# KiCad board Zynq_SoM.kicad_pcb (continued)
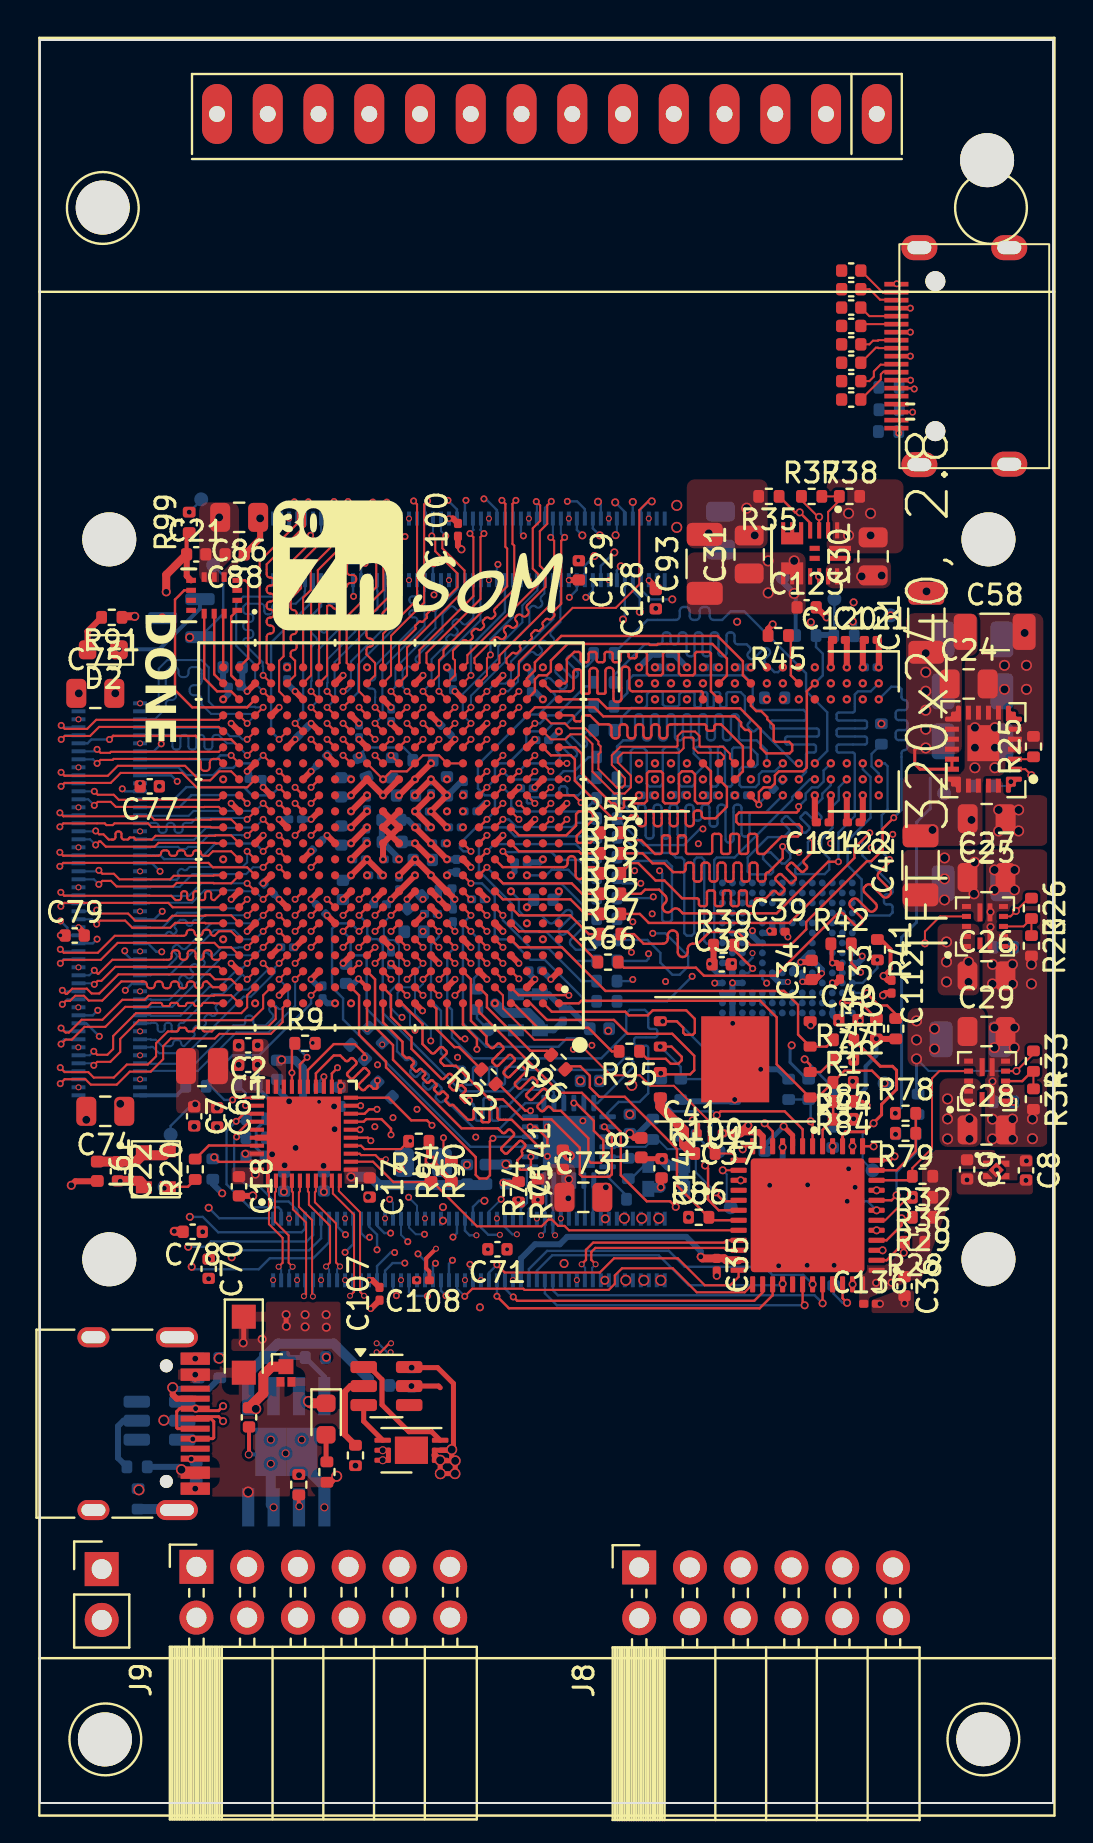
[diagram p0: board, top side]
## Library data of the parts
C1 C7 C9-C12 C15 C32 C34 C36 C38 C40 C44 C57 C59 C66 C70 C71 C77-C79 C87 C88 C95 C103 C123 C128 C129 C139 C141 = -: Description: Unpolarized capacitor, small symbol; Rating: 6.3 V; Type: X5R; Package: 0402; LCSC Part: C368809; ki_fp_filters: C_*
C2-C6 C16-C22 C138 C142 = -: Description: Unpolarized capacitor, small symbol; Rating: 6.3 V; Type: X5R; Package: 0402; LCSC Part: gia; ki_fp_filters: C_*
C8 = -: Description: Unpolarized capacitor, small symbol; Rating: 10 V; Type: X5R; Package: 0402; LCSC Part: C368809; ki_fp_filters: C_*
C13 = -: LCSC Part: C85926; ki_fp_filters: C_*
C23 C33 C35 C37 C39 C41 C43 C46-C48 C50 C53-C56 C61 C62 C67 C69 C72 C76 C80-C85 C89-C92 C94 C98-C102 C107 C108 C112 C114 C130-C137 = -: Description: Unpolarized capacitor, small symbol; Rating: 6.3 V; Type: X5R; Package: 0201; LCSC Part: C85926; ki_fp_filters: C_*
C24 C27 C29 C31 C49 C73-C75 C86 C127 = -: Description: Unpolarized capacitor, small symbol; Rating: 6.3 V; Type: X5R; Package: 0805; LCSC Part: C16780; ki_fp_filters: C_*
C25 C26 C30 = -: Description: Unpolarized capacitor, small symbol; Rating: 10V; Type: X5R; Package: 0805; LCSC Part: C98190; ki_fp_filters: C_*
C28 = -: Description: Unpolarized capacitor, small symbol; Rating: 10V; Type: X5R; Package: 0805; LCSC Part: C16780; ki_fp_filters: C_*
C42 C51 C58 C60 C63 C64 C68 C93 C96 = -: Description: Unpolarized capacitor, small symbol; Rating: 6.3 V; Type: X5R; Package: 1206; LCSC Part: C15008; ki_fp_filters: C_*
C45 C52 = -: Description: Unpolarized capacitor, small symbol; Rating: 6.3 V; Type: X5R; Package: 0201; LCSC Part: C368809; ki_fp_filters: C_*
C65 = -: Description: Unpolarized capacitor, small symbol; Rating: 6.3 V; Type: X5R; Package: 0402; LCSC Part: C15525////; ki_fp_filters: C_*
C97 = -: Description: Unpolarized capacitor, small symbol; Rating: 6.3 V; Type: X5R; LCSC Part: C368809; ki_fp_filters: C_*
C104-C106 C109-C111 C113 C118-C122 C124-C126 = -: Description: Unpolarized capacitor, small symbol; Rating: 6.3 V; Type: X5R; Package: 0201; LCSC Part: C85925; ki_fp_filters: C_*
C115 = -: LCSC: C307331; ki_fp_filters: C_*
C116 = -: LCSC: C15525; ki_fp_filters: C_*
C117 C140 C143-C148 = -: Description: Unpolarized capacitor, small symbol; LCSC Part #: C1532; ki_fp_filters: C_*
D1 = -: Datasheet: https://datasheet.lcsc.com/lcsc/2308231032_MDD-Microdiode-Electronics--DSK34_C41029.pdf; LCSC: C41029; ki_fp_filters: TO-???* *_Diode_* *SingleDiode* D_*
D2 = -: Description: Light emitting diode, small symbol; LCSC Part: -; ki_fp_filters: LED* LED_SMD:* LED_THT:*
H1-H4 H4#2-H4#5 = -: Description: Mounting Hole without connection; LCSC Part: -; ki_fp_filters: MountingHole*
J1-J3 = -: Description: 100 Position Connector Plug, Outer Shroud Contacts Surface Mount Gold; MF: Hirose Electric Co Ltd; MAXIMUM_PACKAGE_HEIGHT: 1.29mm; Package: None; Price: None; Check_prices: https://www.snapeda.com/parts/DF40C-100DP-0.4V(51)/Hirose/view-part/?ref=eda; STANDARD: Manufacturer Recommendations; PARTREV: 02/2020; SnapEDA_Link: https://www.snapeda.com/parts/DF40C-100DP-0.4V(51)/Hirose/view-part/?ref=snap; MP: DF40C-100DP-0.4V(51); Purchase-URL: https://www.snapeda.com/api/url_track_click_mouser/?unipart_id=7177778&manufacturer=Hirose Electric Co Ltd&part_name=DF40C-100DP-0.4V(51)&search_term=df40c-100dp-0.4; Availability: In Stock; MANUFACTURER: Hirose Electric; Digikey: DF40HC(3.0)-100DS-0.4V(51)
J4 = -: Description: Generic connector, single row, 01x14, script generated; ki_fp_filters: Connector*:*_1x??_*
J5 = -: Datasheet: https://www.usb.org/sites/default/files/documents/usb_type-c.zip; LCSC: C165948; JLCPCB Position Offset: 0,1.5; ki_fp_filters: USB*C*Receptacle*
J6 = -: Datasheet: http://pinoutguide.com/PortableDevices/mini_hdmi_pinout.shtml; Description: HDMI 1.3+ type C connector; LCSC Part #: C2682170; ki_fp_filters: HDMI*C*
J7 = -: Description: Generic connector, single row, 01x02, script generated; ki_fp_filters: Connector*:*_1x??_*
J8 J9 = -: Description: Generic connector, single row, 01x12, script generated; ki_fp_filters: Connector*:*_1x??_*
L1 = -: Description: Inductor, small symbol; LCSC Part: C98336; ki_fp_filters: Choke_* *Coil* Inductor_* L_*
L2-L4 L6 L8 L9 = -: Description: Inductor with ferrite core, small symbol; Package: 0402; LCSC Part: C275478; ki_fp_filters: Choke_* *Coil* Inductor_* L_*
L5 = -: LCSC Part: C337875/gia; ki_fp_filters: Choke_* *Coil* Inductor_* L_*
L7 = -: Description: Inductor with ferrite core, small symbol; LCSC Part: C275478; ki_fp_filters: Choke_* *Coil* Inductor_* L_*
LED1 = -: LCSC: C2286; ki_fp_filters: LED* LED_SMD:* LED_THT:*
Q1 = -: LCSC: C700968; ki_fp_filters: TSOP* SC?70* SC?88* SOT?363*
Q3 = -: Datasheet: https://ngspice.sourceforge.io/docs/ngspice-html-manual/manual.xhtml#cha_MOSFETs; Description: N-MOSFET transistor, drain/source/gate; Sim.Type: VDMOS; Sim.Pins: 1=D 2=G 3=S
Q4 = -: JLCPCB Rotation Offset: 180; LCSC: C260933
R1 R5 R6 R13 R15 R39-R44 R74-R77 R86-R90 R92-R94 R97 R100 = -: Description: Resistor, small symbol; Tolerance: 1%; Package: 0402; LCSC Part: C25744/gia; ki_fp_filters: R_*
R2 R20-R22 R49 R51-R73 R95 R96 = -: Description: Resistor, small symbol; Tolerance: 1%; Package: 0402; LCSC Part: C114765/C25105; ki_fp_filters: R_*
R3 R4 R14 = -: Description: Resistor, small symbol; Tolerance: 1%; Package: 0402; LCSC Part: C25867; ki_fp_filters: R_*
R7-R12 R17-R19 R48 R98 R99 = -: Description: Resistor, small symbol; Tolerance: 1%; Package: 0402; LCSC Part: C25940; ki_fp_filters: R_*
R16 = -: Description: Resistor, small symbol; Tolerance: 1%; Package: 0402; LCSC Part: C25884; ki_fp_filters: R_*
R23 R27 R28 R30-R32 R35 R36 R78 R79 R82-R85 = -: Description: Resistor, small symbol; Tolerance: 1%; Package: 0402; LCSC Part: C60491; ki_fp_filters: R_*
R24 = -: Description: Resistor, small symbol; Tolerance: 1%; Package: 0402; LCSC Part: C25923; ki_fp_filters: R_*
R25 = -: Description: Resistor, small symbol; Tolerance: 1%; Package: 0402; LCSC Part: C26972; ki_fp_filters: R_*
R26 R33 R37 = -: Description: Resistor, small symbol; Tolerance: 1%; Package: 0402; LCSC Part: C137903; ki_fp_filters: R_*
R29 = -: Description: Resistor, small symbol; Package: 0402; LCSC Part: C60491; ki_fp_filters: R_*
R34 = -: Description: Resistor, small symbol; Tolerance: 1%; Package: 0402; LCSC Part: C25895; ki_fp_filters: R_*
R38 = -: Description: Resistor, small symbol; Tolerance: 1%; Package: 0402; LCSC Part: C25757; ki_fp_filters: R_*
R45 = -: Description: Resistor, small symbol; Tolerance: 1%; Package: 0402; LCSC Part: C25094; ki_fp_filters: R_*
R46 R47 = -: Description: Resistor, small symbol; Tolerance: 1%; Package: 0201; LCSC Part: C270336; ki_fp_filters: R_*
R50 = -: Description: Resistor, small symbol; Tolerance: 1%; Package: 0402; LCSC Part: C25138; ki_fp_filters: R_*
R80 R81 = -: Description: Resistor, small symbol; Tolerance: 1%; Package: 0402; LCSC Part: gia; ki_fp_filters: R_*
R91 = -: Description: Resistor, small symbol; Tolerance: 1%; Package: 0402; ki_fp_filters: R_*
R101 = -: LCSC: C26083; ki_fp_filters: R_*
R102 R103 = -: LCSC: C25905; ki_fp_filters: R_*
R104 R108 = -: LCSC: C25741; ki_fp_filters: R_*
R105 R110 = -: LCSC: C25744; ki_fp_filters: R_*
R106 R111 = -: LCSC: C11702; ki_fp_filters: R_*
R107 = -: LCSC: C25117; ki_fp_filters: R_*
R109 = -: LCSC: C25882; ki_fp_filters: R_*
R112 R114 = -: LCSC Part #: C25117; ki_fp_filters: R_*
R113 = -: LCSC Part #: C25744; ki_fp_filters: R_*
TP1-TP16 = -: Description: test point; LCSC Part: -; ki_fp_filters: Pin* Test*
U1 = -: Description: SDRAM - DDR3L Memory IC 4Gb (256M x 16) Parallel 933 MHz 20 ns 96-FBGA (8x14); Availability: In Stock; Check_prices: https://www.snapeda.com/parts/MT41K256M16TW-107:P/Micron+Technology+Inc./view-part/?ref=eda; MANUFACTURER: Micron; MAXIMUM_PACKAGE_HEIGHT: 1.20mm; MF: Micron Technology; MP: MT41K256M16TW-107:P; PARTREV: P; Package: FBGA-96 Micron; Price: None; Purchase-URL: https://www.snapeda.com/api/url_track_click_mouser/?unipart_id=471174&manufacturer=Micron Technology&part_name=MT41K256M16TW-107:P&search_term=None; STANDARD: IPC-7351B; SnapEDA_Link: https://www.snapeda.com/parts/MT41K256M16TW-107:P/Micron+Technology+Inc./view-part/?ref=snap; LCSC Part: gia
U2 = -: Datasheet: https://www.xilinx.com/support/documentation/data_sheets/ds190-Zynq-7000-Overview.pdf; LCSC Part: gia; ki_fp_filters: Xilinx*CLG484*
U3 = -: LCSC Part: C187932
U4 U6 = -: Digikey: MPM3834CGPA-Z
U5 = -: Datasheet: https://ww1.microchip.com/downloads/aemDocuments/documents/OTH/ProductDocuments/DataSheets/00002367A.pdf; Description: Hi-Speed USB ULPI Transceiver, QFN-24; Digikey: USB3318C-CP-TR; ki_fp_filters: QFN*1EP*4x4mm*P0.5mm*
U7 = -: LCSC Part: C499918
U8 = -: Datasheet: TPSM82864AA0SRDJR; LCSC Part: C5219321; ki_fp_filters: RDJ0023A-MFG RDJ0023A-SMD-MFG
U9 = -: Datasheet: https://www.st.com/resource/en/datasheet/stm32g431cb.pdf; Description: STMicroelectronics Arm Cortex-M4 MCU, 128KB flash, 32KB RAM, 170 MHz, 1.71-3.6V, 42 GPIO, UFQFPN48; LCSC Part: gia; ki_fp_filters: QFN*1EP*7x7mm*P0.5mm*
U10 = -: Digikey: 1589-2037-1-ND
U11 = -: Datasheet: http://www.winbond.com/resource-files/w25q128jv_dtr%20revc%2003272018%20plus.pdf; Description: 128Mb Serial Flash Memory, Standard/Dual/Quad SPI, SOIC-8; LCSC Part: C401662; ki_fp_filters: SOIC*5.23x5.23mm*P1.27mm*
U12 = -: Datasheet: http://www.onsemi.com/pub/Collateral/SRV05-4-D.PDF; LCSC: C85364; ki_fp_filters: SOT?23*
U13 = -: LCSC Part: gia
U14 = -: Datasheet: https://www.bosch-sensortec.com/media/boschsensortec/downloads/datasheets/bst-bmi323-ds000.pdf; LCSC Part: C5368700
U15 = -: Datasheet: https://datasheet.lcsc.com/lcsc/1809261820_TOPPOWER-Nanjing-Extension-Microelectronics-TP4056-42-ESOP8_C16581.pdf; LCSC: C16581; JLCPCB Rotation Offset: 270; ki_fp_filters: SOIC*
U16 = -: Datasheet: https://wmsc.lcsc.com/wmsc/upload/file/pdf/v2/lcsc/1912111437_PUOLOP-DW01A_C351410.pdf; LCSC: C351410; JLCPCB Rotation Offset: 90; ki_fp_filters: SOT?23*
X1 = -: Datasheet: https://abracon.com/Oscillators/ASCO.pdf; Description: Crystal Clock Oscillator, Abracon ASCO; Digikey: KC2016Z13.0000C1KX00; ki_fp_filters: Oscillator*Abracon*ASCO*1.6x1.2mm*
X2 = -: Datasheet: http://www.abracon.com/Oscillators/ASV.pdf; Description: 3.3V CMOS SMD Crystal Clock Oscillator, Abracon; Digikey: KC2016Z25.0000C1KX00; ki_fp_filters: Oscillator*SMD*Abracon*ASE*3.2x2.5mm*
X3 = -: Description: CMOS SMD Crystal Clock Oscillator; Digikey: KC2016Z33.0000C1KX00; ki_fp_filters: Oscillator*SMD*Abracon*ASE*3.2x2.5mm*

## Footprints (pads in the part's own frame, mm; a bottom-side part is the same pattern mirrored in y, then rotated)
B0QFN_RDJ
  custom 0.8x0.8 smd: 1(-1.375,1.625) 7(-1.375,-1.625) 12(1.375,-1.625) 18(1.375,1.625)
  rect 0.7x0.25 smd: 2(-1.575,1) 3(-1.575,0.5) 4(-1.575,0) 5(-1.575,-0.5) 6(-1.575,-1) 13(1.575,-1) 14(1.575,-0.5) 15(1.575,0) 16(1.575,0.5) 17(1.575,1)
  rect 0.25x0.7 smd: 8(-0.75,-1.825) 9(-0.25,-1.825) 10(0.25,-1.825) 11(0.75,-1.825) 19(0.75,1.825) 20(0.25,1.825) 21(-0.25,1.825) 22(-0.75,1.825)
  rect 1.6x1.8 smd: 23(0,-0.3)
BGA96C80P9X16_1400X800X120
  round 0.42 smd: A1(-3.2,6) A2(-2.4,6) A3(-1.6,6) A7(1.6,6) A8(2.4,6) A9(3.2,6) B1(-3.2,5.2) B2(-2.4,5.2) B3(-1.6,5.2) B7(1.6,5.2) B8(2.4,5.2) B9(3.2,5.2) C1(-3.2,4.4) C2(-2.4,4.4) C3(-1.6,4.4) C7(1.6,4.4) C8(2.4,4.4) C9(3.2,4.4) D1(-3.2,3.6) D2(-2.4,3.6) D3(-1.6,3.6) D7(1.6,3.6) D8(2.4,3.6) D9(3.2,3.6) E1(-3.2,2.8) E2(-2.4,2.8) E3(-1.6,2.8) E7(1.6,2.8) E8(2.4,2.8) E9(3.2,2.8) F1(-3.2,2) F2(-2.4,2) F3(-1.6,2) F7(1.6,2) F8(2.4,2) F9(3.2,2) G1(-3.2,1.2) G2(-2.4,1.2) G3(-1.6,1.2) G7(1.6,1.2) G8(2.4,1.2) G9(3.2,1.2) H1(-3.2,0.4) H2(-2.4,0.4) H3(-1.6,0.4) H7(1.6,0.4) H8(2.4,0.4) H9(3.2,0.4) J1(-3.2,-0.4) J2(-2.4,-0.4) J3(-1.6,-0.4) J7(1.6,-0.4) J8(2.4,-0.4) J9(3.2,-0.4) K1(-3.2,-1.2) K2(-2.4,-1.2) K3(-1.6,-1.2) K7(1.6,-1.2) K8(2.4,-1.2) K9(3.2,-1.2) L1(-3.2,-2) L2(-2.4,-2) L3(-1.6,-2) L7(1.6,-2) L8(2.4,-2) L9(3.2,-2) M1(-3.2,-2.8) M2(-2.4,-2.8) M3(-1.6,-2.8) M7(1.6,-2.8) M8(2.4,-2.8) M9(3.2,-2.8) N1(-3.2,-3.6) N2(-2.4,-3.6) N3(-1.6,-3.6) N7(1.6,-3.6) N8(2.4,-3.6) N9(3.2,-3.6) P1(-3.2,-4.4) P2(-2.4,-4.4) P3(-1.6,-4.4) P7(1.6,-4.4) P8(2.4,-4.4) P9(3.2,-4.4) R1(-3.2,-5.2) R2(-2.4,-5.2) R3(-1.6,-5.2) R7(1.6,-5.2) R8(2.4,-5.2) R9(3.2,-5.2) T1(-3.2,-6) T2(-2.4,-6) T3(-1.6,-6) T7(1.6,-6) T8(2.4,-6) T9(3.2,-6)
BGA153N50P14X14_1150X1300X100
  round 0.35 smd: A1(-3.25,3.25) A2(-2.75,3.25) A3(-2.25,3.25) A4(-1.75,3.25) A5(-1.25,3.25) A6(-0.75,3.25) A7(-0.25,3.25) A8(0.25,3.25) A9(0.75,3.25) A10(1.25,3.25) A11(1.75,3.25) A12(2.25,3.25) A13(2.75,3.25) A14(3.25,3.25) B1(-3.25,2.75) B2(-2.75,2.75) B3(-2.25,2.75) B4(-1.75,2.75) B5(-1.25,2.75) B6(-0.75,2.75) B7(-0.25,2.75) B8(0.25,2.75) B9(0.75,2.75) B10(1.25,2.75) B11(1.75,2.75) B12(2.25,2.75) B13(2.75,2.75) B14(3.25,2.75) C1(-3.25,2.25) C2(-2.75,2.25) C3(-2.25,2.25) C4(-1.75,2.25) C5(-1.25,2.25) C6(-0.75,2.25) C7(-0.25,2.25) C8(0.25,2.25) C9(0.75,2.25) C10(1.25,2.25) C11(1.75,2.25) C12(2.25,2.25) C13(2.75,2.25) C14(3.25,2.25) D1(-3.25,1.75) D2(-2.75,1.75) D3(-2.25,1.75) D4(-1.75,1.75) D12(2.25,1.75) D13(2.75,1.75) D14(3.25,1.75) E1(-3.25,1.25) E2(-2.75,1.25) E3(-2.25,1.25) E5(-1.25,1.25) E6(-0.75,1.25) E7(-0.25,1.25) E8(0.25,1.25) E9(0.75,1.25) E10(1.25,1.25) E12(2.25,1.25) E13(2.75,1.25) E14(3.25,1.25) F1(-3.25,0.75) F2(-2.75,0.75) F3(-2.25,0.75) F5(-1.25,0.75) F10(1.25,0.75) F12(2.25,0.75) F13(2.75,0.75) F14(3.25,0.75) G1(-3.25,0.25) G2(-2.75,0.25) G3(-2.25,0.25) G5(-1.25,0.25) G10(1.25,0.25) G12(2.25,0.25) G13(2.75,0.25) G14(3.25,0.25) H1(-3.25,-0.25) H2(-2.75,-0.25) H3(-2.25,-0.25) H5(-1.25,-0.25) H10(1.25,-0.25) H12(2.25,-0.25) H13(2.75,-0.25) H14(3.25,-0.25) J1(-3.25,-0.75) J2(-2.75,-0.75) J3(-2.25,-0.75) J5(-1.25,-0.75) J10(1.25,-0.75) J12(2.25,-0.75) J13(2.75,-0.75) J14(3.25,-0.75) K1(-3.25,-1.25) K2(-2.75,-1.25) K3(-2.25,-1.25) K5(-1.25,-1.25) K6(-0.75,-1.25) K7(-0.25,-1.25) K8(0.25,-1.25) K9(0.75,-1.25) K10(1.25,-1.25) K12(2.25,-1.25) K13(2.75,-1.25) K14(3.25,-1.25) L1(-3.25,-1.75) L2(-2.75,-1.75) L3(-2.25,-1.75) L12(2.25,-1.75) L13(2.75,-1.75) L14(3.25,-1.75) M1(-3.25,-2.25) M2(-2.75,-2.25) M3(-2.25,-2.25) M4(-1.75,-2.25) M5(-1.25,-2.25) M6(-0.75,-2.25) M7(-0.25,-2.25) M8(0.25,-2.25) M9(0.75,-2.25) M10(1.25,-2.25) M11(1.75,-2.25) M12(2.25,-2.25) M13(2.75,-2.25) M14(3.25,-2.25) N1(-3.25,-2.75) N2(-2.75,-2.75) N3(-2.25,-2.75) N4(-1.75,-2.75) N5(-1.25,-2.75) N6(-0.75,-2.75) N7(-0.25,-2.75) N8(0.25,-2.75) N9(0.75,-2.75) N10(1.25,-2.75) N11(1.75,-2.75) N12(2.25,-2.75) N13(2.75,-2.75) N14(3.25,-2.75) P1(-3.25,-3.25) P2(-2.75,-3.25) P3(-2.25,-3.25) P4(-1.75,-3.25) P5(-1.25,-3.25) P6(-0.75,-3.25) P7(-0.25,-3.25) P8(0.25,-3.25) P9(0.75,-3.25) P10(1.25,-3.25) P11(1.75,-3.25) P12(2.25,-3.25) P13(2.75,-3.25) P14(3.25,-3.25)
BMI323_BOS
  rect 0.483x0.254 smd: 1(-1.156,0.75) 2(-1.156,0.25) 3(-1.156,-0.25) 4(-1.156,-0.75) 8(1.156,-0.75) 9(1.156,-0.25) 10(1.156,0.25) 11(1.156,0.75)
  rect 0.254x0.483 smd: 5(-0.5,-0.914) 6(0,-0.914) 7(0.5,-0.914) 12(0.5,0.914) 13(0,0.914) 14(-0.5,0.914)
C_0201_0603Metric
  rrect 0.318x0.36 smd: (-0.345,0) (0.345,0)
  rrect 0.46x0.4 smd: 1(-0.32,0) 2(0.32,0)
C_0402_1005Metric
  rrect 0.56x0.62 smd: 1(-0.48,0) 2(0.48,0)
C_0805_2012Metric
  rrect 1x1.45 smd: 1(-0.95,0) 2(0.95,0)
C_1206_3216Metric
  rrect 1.15x1.8 smd: 1(-1.475,0) 2(1.475,0)
CLG484_XIL-L_new
  round 0.406 smd: A1(-8.4,8.4) A2(-7.6,8.4) A3(-6.8,8.4) A4(-6,8.4) A5(-5.2,8.4) A6(-4.4,8.4) A7(-3.6,8.4) A8(-2.8,8.4) A9(-2,8.4) A10(-1.2,8.4) A11(-0.4,8.4) A12(0.4,8.4) A13(1.2,8.4) A14(2,8.4) A15(2.8,8.4) A16(3.6,8.4) A17(4.4,8.4) A18(5.2,8.4) A19(6,8.4) A20(6.8,8.4) A21(7.6,8.4) A22(8.4,8.4) AA1(-8.4,-7.6) AA2(-7.6,-7.6) AA3(-6.8,-7.6) AA4(-6,-7.6) AA5(-5.2,-7.6) AA6(-4.4,-7.6) AA7(-3.6,-7.6) AA8(-2.8,-7.6) AA9(-2,-7.6) AA10(-1.2,-7.6) AA11(-0.4,-7.6) AA12(0.4,-7.6) AA13(1.2,-7.6) AA14(2,-7.6) AA15(2.8,-7.6) AA16(3.6,-7.6) AA17(4.4,-7.6) AA18(5.2,-7.6) AA19(6,-7.6) AA20(6.8,-7.6) AA21(7.6,-7.6) AA22(8.4,-7.6) AB1(-8.4,-8.4) AB2(-7.6,-8.4) AB3(-6.8,-8.4) AB4(-6,-8.4) AB5(-5.2,-8.4) AB6(-4.4,-8.4) AB7(-3.6,-8.4) AB8(-2.8,-8.4) AB9(-2,-8.4) AB10(-1.2,-8.4) AB11(-0.4,-8.4) AB12(0.4,-8.4) AB13(1.2,-8.4) AB14(2,-8.4) AB15(2.8,-8.4) AB16(3.6,-8.4) AB17(4.4,-8.4) AB18(5.2,-8.4) AB19(6,-8.4) AB20(6.8,-8.4) AB21(7.6,-8.4) AB22(8.4,-8.4) B1(-8.4,7.6) B2(-7.6,7.6) B3(-6.8,7.6) B4(-6,7.6) B5(-5.2,7.6) B6(-4.4,7.6) B7(-3.6,7.6) B8(-2.8,7.6) B9(-2,7.6) B10(-1.2,7.6) B11(-0.4,7.6) B12(0.4,7.6) B13(1.2,7.6) B14(2,7.6) B15(2.8,7.6) B16(3.6,7.6) B17(4.4,7.6) B18(5.2,7.6) B19(6,7.6) B20(6.8,7.6) B21(7.6,7.6) B22(8.4,7.6) C1(-8.4,6.8) C2(-7.6,6.8) C3(-6.8,6.8) C4(-6,6.8) C5(-5.2,6.8) C6(-4.4,6.8) C7(-3.6,6.8) C8(-2.8,6.8) C9(-2,6.8) C10(-1.2,6.8) C11(-0.4,6.8) C12(0.4,6.8) C13(1.2,6.8) C14(2,6.8) C15(2.8,6.8) C16(3.6,6.8) C17(4.4,6.8) C18(5.2,6.8) C19(6,6.8) C20(6.8,6.8) C21(7.6,6.8) C22(8.4,6.8) D1(-8.4,6) D2(-7.6,6) D3(-6.8,6) D4(-6,6) D5(-5.2,6) D6(-4.4,6) D7(-3.6,6) D8(-2.8,6) D9(-2,6) D10(-1.2,6) D11(-0.4,6) D12(0.4,6) D13(1.2,6) D14(2,6) D15(2.8,6) D16(3.6,6) D17(4.4,6) D18(5.2,6) D19(6,6) D20(6.8,6) D21(7.6,6) D22(8.4,6) E1(-8.4,5.2) E2(-7.6,5.2) E3(-6.8,5.2) E4(-6,5.2) E5(-5.2,5.2) E6(-4.4,5.2) E7(-3.6,5.2) E8(-2.8,5.2) E9(-2,5.2) E10(-1.2,5.2) E11(-0.4,5.2) E12(0.4,5.2) E13(1.2,5.2) E14(2,5.2) E15(2.8,5.2) E16(3.6,5.2) E17(4.4,5.2) E18(5.2,5.2) E19(6,5.2) E20(6.8,5.2) E21(7.6,5.2) E22(8.4,5.2) F1(-8.4,4.4) F2(-7.6,4.4) F3(-6.8,4.4) F4(-6,4.4) F5(-5.2,4.4) F6(-4.4,4.4) F7(-3.6,4.4) F8(-2.8,4.4) F9(-2,4.4) F10(-1.2,4.4) F11(-0.4,4.4) F12(0.4,4.4) F13(1.2,4.4) F14(2,4.4) F15(2.8,4.4) F16(3.6,4.4) F17(4.4,4.4) F18(5.2,4.4) F19(6,4.4) F20(6.8,4.4) F21(7.6,4.4) F22(8.4,4.4) G1(-8.4,3.6) G2(-7.6,3.6) G3(-6.8,3.6) G4(-6,3.6) G5(-5.2,3.6) G6(-4.4,3.6) G7(-3.6,3.6) G8(-2.8,3.6) G9(-2,3.6) G10(-1.2,3.6) G11(-0.4,3.6) G12(0.4,3.6) G13(1.2,3.6) G14(2,3.6) G15(2.8,3.6) G16(3.6,3.6) G17(4.4,3.6) G18(5.2,3.6) G19(6,3.6) G20(6.8,3.6) G21(7.6,3.6) G22(8.4,3.6) H1(-8.4,2.8) H2(-7.6,2.8) H3(-6.8,2.8) H4(-6,2.8) H5(-5.2,2.8) H6(-4.4,2.8) H7(-3.6,2.8) H8(-2.8,2.8) H9(-2,2.8) H10(-1.2,2.8) H11(-0.4,2.8) H12(0.4,2.8) H13(1.2,2.8) H14(2,2.8) H15(2.8,2.8) H16(3.6,2.8) H17(4.4,2.8) H18(5.2,2.8) H19(6,2.8) H20(6.8,2.8) H21(7.6,2.8) H22(8.4,2.8) J1(-8.4,2) J2(-7.6,2) J3(-6.8,2) J4(-6,2) J5(-5.2,2) J6(-4.4,2) J7(-3.6,2) J8(-2.8,2) J9(-2,2) J10(-1.2,2) J11(-0.4,2) J12(0.4,2) J13(1.2,2) J14(2,2) J15(2.8,2) J16(3.6,2) J17(4.4,2) J18(5.2,2) J19(6,2) J20(6.8,2) J21(7.6,2) J22(8.4,2) K1(-8.4,1.2) K2(-7.6,1.2) K3(-6.8,1.2) K4(-6,1.2) K5(-5.2,1.2) K6(-4.4,1.2) K7(-3.6,1.2) K8(-2.8,1.2) K9(-2,1.2) K10(-1.2,1.2) K11(-0.4,1.2) K12(0.4,1.2) K13(1.2,1.2) K14(2,1.2) K15(2.8,1.2) K16(3.6,1.2) K17(4.4,1.2) K18(5.2,1.2) K19(6,1.2) K20(6.8,1.2) K21(7.6,1.2) K22(8.4,1.2) L1(-8.4,0.4) L2(-7.6,0.4) L3(-6.8,0.4) L4(-6,0.4) L5(-5.2,0.4) L6(-4.4,0.4) L7(-3.6,0.4) L8(-2.8,0.4) L9(-2,0.4) L10(-1.2,0.4) L11(-0.4,0.4) L12(0.4,0.4) L13(1.2,0.4) L14(2,0.4) L15(2.8,0.4) L16(3.6,0.4) L17(4.4,0.4) L18(5.2,0.4) L19(6,0.4) L20(6.8,0.4) L21(7.6,0.4) L22(8.4,0.4) M1(-8.4,-0.4) M2(-7.6,-0.4) M3(-6.8,-0.4) M4(-6,-0.4) M5(-5.2,-0.4) M6(-4.4,-0.4) M7(-3.6,-0.4) M8(-2.8,-0.4) M9(-2,-0.4) M10(-1.2,-0.4) M11(-0.4,-0.4) M12(0.4,-0.4) M13(1.2,-0.4) M14(2,-0.4) M15(2.8,-0.4) M16(3.6,-0.4) M17(4.4,-0.4) M18(5.2,-0.4) M19(6,-0.4) M20(6.8,-0.4) M21(7.6,-0.4) M22(8.4,-0.4) N1(-8.4,-1.2) N2(-7.6,-1.2) N3(-6.8,-1.2) N4(-6,-1.2) N5(-5.2,-1.2) N6(-4.4,-1.2) N7(-3.6,-1.2) N8(-2.8,-1.2) N9(-2,-1.2) N10(-1.2,-1.2) N11(-0.4,-1.2) N12(0.4,-1.2) N13(1.2,-1.2) N14(2,-1.2) N15(2.8,-1.2) N16(3.6,-1.2) N17(4.4,-1.2) N18(5.2,-1.2) N19(6,-1.2) N20(6.8,-1.2) N21(7.6,-1.2) N22(8.4,-1.2) P1(-8.4,-2) P2(-7.6,-2) P3(-6.8,-2) P4(-6,-2) P5(-5.2,-2) P6(-4.4,-2) P7(-3.6,-2) P8(-2.8,-2) P9(-2,-2) P10(-1.2,-2) P11(-0.4,-2) P12(0.4,-2) P13(1.2,-2) P14(2,-2) P15(2.8,-2) P16(3.6,-2) P17(4.4,-2) P18(5.2,-2) P19(6,-2) P20(6.8,-2) P21(7.6,-2) P22(8.4,-2) R1(-8.4,-2.8) R2(-7.6,-2.8) R3(-6.8,-2.8) R4(-6,-2.8) R5(-5.2,-2.8) R6(-4.4,-2.8) R7(-3.6,-2.8) R8(-2.8,-2.8) R9(-2,-2.8) R10(-1.2,-2.8) R11(-0.4,-2.8) R12(0.4,-2.8) R13(1.2,-2.8) R14(2,-2.8) R15(2.8,-2.8) R16(3.6,-2.8) R17(4.4,-2.8) R18(5.2,-2.8) R19(6,-2.8) R20(6.8,-2.8) R21(7.6,-2.8) R22(8.4,-2.8) T1(-8.4,-3.6) T2(-7.6,-3.6) T3(-6.8,-3.6) T4(-6,-3.6) T5(-5.2,-3.6) T6(-4.4,-3.6) T7(-3.6,-3.6) T8(-2.8,-3.6) T9(-2,-3.6) T10(-1.2,-3.6) T11(-0.4,-3.6) T12(0.4,-3.6) T13(1.2,-3.6) T14(2,-3.6) T15(2.8,-3.6) T16(3.6,-3.6) T17(4.4,-3.6) T18(5.2,-3.6) T19(6,-3.6) T20(6.8,-3.6) T21(7.6,-3.6) T22(8.4,-3.6) U1(-8.4,-4.4) U2(-7.6,-4.4) U3(-6.8,-4.4) U4(-6,-4.4) U5(-5.2,-4.4) U6(-4.4,-4.4) U7(-3.6,-4.4) U8(-2.8,-4.4) U9(-2,-4.4) U10(-1.2,-4.4) U11(-0.4,-4.4) U12(0.4,-4.4) U13(1.2,-4.4) U14(2,-4.4) U15(2.8,-4.4) U16(3.6,-4.4) U17(4.4,-4.4) U18(5.2,-4.4) U19(6,-4.4) U20(6.8,-4.4) U21(7.6,-4.4) U22(8.4,-4.4) V1(-8.4,-5.2) V2(-7.6,-5.2) V3(-6.8,-5.2) V4(-6,-5.2) V5(-5.2,-5.2) V6(-4.4,-5.2) V7(-3.6,-5.2) V8(-2.8,-5.2) V9(-2,-5.2) V10(-1.2,-5.2) V11(-0.4,-5.2) V12(0.4,-5.2) V13(1.2,-5.2) V14(2,-5.2) V15(2.8,-5.2) V16(3.6,-5.2) V17(4.4,-5.2) V18(5.2,-5.2) V19(6,-5.2) V20(6.8,-5.2) V21(7.6,-5.2) V22(8.4,-5.2) W1(-8.4,-6) W2(-7.6,-6) W3(-6.8,-6) W4(-6,-6) W5(-5.2,-6) W6(-4.4,-6) W7(-3.6,-6) W8(-2.8,-6) W9(-2,-6) W10(-1.2,-6) W11(-0.4,-6) W12(0.4,-6) W13(1.2,-6) W14(2,-6) W15(2.8,-6) W16(3.6,-6) W17(4.4,-6) W18(5.2,-6) W19(6,-6) W20(6.8,-6) W21(7.6,-6) W22(8.4,-6) Y1(-8.4,-6.8) Y2(-7.6,-6.8) Y3(-6.8,-6.8) Y4(-6,-6.8) Y5(-5.2,-6.8) Y6(-4.4,-6.8) Y7(-3.6,-6.8) Y8(-2.8,-6.8) Y9(-2,-6.8) Y10(-1.2,-6.8) Y11(-0.4,-6.8) Y12(0.4,-6.8) Y13(1.2,-6.8) Y14(2,-6.8) Y15(2.8,-6.8) Y16(3.6,-6.8) Y17(4.4,-6.8) Y18(5.2,-6.8) Y19(6,-6.8) Y20(6.8,-6.8) Y21(7.6,-6.8) Y22(8.4,-6.8)
DFN-6-1EP_3x2mm_P0.5mm_EP1.65x1.35mm_Dual_MOSFETs
  rrect 0.67x0.54 smd: (-0.41,0.34) (-0.41,-0.34) (0.41,0.34) (0.41,-0.34)
  rrect 0.825x0.25 smd: 1(-1.438,0.5) 1(-1.438,0) 2(-1.438,-0.5) 4(1.438,0.5) 4(1.438,0) 5(1.438,-0.5)
  rrect 0.25x0.75 smd: 1(-1.15,0.25) 4(1.15,0.25)
  rect 1.65x1.35 smd: 3(0,0) 6(0,0)
Diodes_DFN1411-3
  rect 0.48x0.4 smd: 1(-0.38,0.275) 2(-0.38,-0.275)
  rect 0.75x0.75 smd: 3(0.38,0)
HRS_DF40C-100DS-0.4V_51_
  rect 0.2x0.7 smd: 1(9.8,1.54) 2(9.8,-1.54) 3(9.4,1.54) 4(9.4,-1.54) 5(9,1.54) 6(9,-1.54) 7(8.6,1.54) 8(8.6,-1.54) 9(8.2,1.54) 10(8.2,-1.54) 11(7.8,1.54) 12(7.8,-1.54) 13(7.4,1.54) 14(7.4,-1.54) 15(7,1.54) 16(7,-1.54) 17(6.6,1.54) 18(6.6,-1.54) 19(6.2,1.54) 20(6.2,-1.54) 21(5.8,1.54) 22(5.8,-1.54) 23(5.4,1.54) 24(5.4,-1.54) 25(5,1.54) 26(5,-1.54) 27(4.6,1.54) 28(4.6,-1.54) 29(4.2,1.54) 30(4.2,-1.54) 31(3.8,1.54) 32(3.8,-1.54) 33(3.4,1.54) 34(3.4,-1.54) 35(3,1.54) 36(3,-1.54) 37(2.6,1.54) 38(2.6,-1.54) 39(2.2,1.54) 40(2.2,-1.54) 41(1.8,1.54) 42(1.8,-1.54) 43(1.4,1.54) 44(1.4,-1.54) 45(1,1.54) 46(1,-1.54) 47(0.6,1.54) 48(0.6,-1.54) 49(0.2,1.54) 50(0.2,-1.54) 51(-0.2,1.54) 52(-0.2,-1.54) 53(-0.6,1.54) 54(-0.6,-1.54) 55(-1,1.54) 56(-1,-1.54) 57(-1.4,1.54) 58(-1.4,-1.54) 59(-1.8,1.54) 60(-1.8,-1.54) 61(-2.2,1.54) 62(-2.2,-1.54) 63(-2.6,1.54) 64(-2.6,-1.54) 65(-3,1.54) 66(-3,-1.54) 67(-3.4,1.54) 68(-3.4,-1.54) 69(-3.8,1.54) 70(-3.8,-1.54) 71(-4.2,1.54) 72(-4.2,-1.54) 73(-4.6,1.54) 74(-4.6,-1.54) 75(-5,1.54) 76(-5,-1.54) 77(-5.4,1.54) 78(-5.4,-1.54) 79(-5.8,1.54) 80(-5.8,-1.54) 81(-6.2,1.54) 82(-6.2,-1.54) 83(-6.6,1.54) 84(-6.6,-1.54) 85(-7,1.54) 86(-7,-1.54) 87(-7.4,1.54) 88(-7.4,-1.54) 89(-7.8,1.54) 90(-7.8,-1.54) 91(-8.2,1.54) 92(-8.2,-1.54) 93(-8.6,1.54) 94(-8.6,-1.54) 95(-9,1.54) 96(-9,-1.54) 97(-9.4,1.54) 98(-9.4,-1.54) 99(-9.8,1.54) 100(-9.8,-1.54)
L_0402_1005Metric
  rrect 0.59x0.64 smd: 1(-0.485,0) 2(0.485,0)
L_0806_2.0x1.6mm
  rrect 1x1.8 smd: 1(-0.8,0) 2(0.8,0)
LED_0603_1608Metric
  rrect 0.875x0.95 smd: 1(-0.787,0) 2(0.787,0)
MountingHole_2.7mm_M2.5_ISO14580_MOD
  round 2.7 hole 2.7 unplated: (0,0)
MPM3834
  rect 0.6x0.25 smd: 1(-0.85,0.25)
  rect 0.9x0.25 smd: 2(-0.7,-0.25) 8(0.7,-0.25) 9(0.7,0.25)
  rect 0.25x0.45 smd: 3(-1,-0.925) 4(-0.5,-0.925) 5(0,-0.925) 6(0.5,-0.925) 7(1,-0.925) 10(1,0.925) 11(0.5,0.925) 12(0,0.925) 13(-0.5,0.925) 14(-1,0.925)
Nexperia_CFP3_SOD-123W
  rect 1.2x1.2 smd: 1(-1.4,0) 2(1.4,0)
Oscillator_SMD_Kyocera_4PIN_2.0x1.6mm
  rect 0.6x0.8 smd: 1(-0.9,-0.6) 2(0.9,-0.6) 3(0.9,0.6) 4(-0.9,0.6)
PinHeader_1x02_P2.54mm_Vertical
  rect 1.7x1.7 hole 1: 1(0,0)
  round 1.7 hole 1: 2(0,-2.54)
PinSocket_2x06_P2.54mm_Horizontal
  rect 1.7x1.7 hole 1: 1(0,0)
  round 1.7 hole 1: 2(-2.54,0) 3(0,-2.54) 4(-2.54,-2.54) 5(0,-5.08) 6(-2.54,-5.08) 7(0,-7.62) 8(-2.54,-7.62) 9(0,-10.16) 10(-2.54,-10.16) 11(0,-12.7) 12(-2.54,-12.7)
QFN-24-1EP_4x4mm_P0.5mm_EP2.6x2.6mm
  rrect 1.05x1.05 smd: (-0.65,-0.65) (-0.65,0.65) (0.65,-0.65) (0.65,0.65)
  rrect 0.825x0.25 smd: 1(-1.938,1.25) 2(-1.938,0.75) 3(-1.938,0.25) 4(-1.938,-0.25) 5(-1.938,-0.75) 6(-1.938,-1.25) 13(1.938,-1.25) 14(1.938,-0.75) 15(1.938,-0.25) 16(1.938,0.25) 17(1.938,0.75) 18(1.938,1.25)
  rrect 0.25x0.825 smd: 7(-1.25,-1.938) 8(-0.75,-1.938) 9(-0.25,-1.938) 10(0.25,-1.938) 11(0.75,-1.938) 12(1.25,-1.938) 19(1.25,1.938) 20(0.75,1.938) 21(0.25,1.938) 22(-0.25,1.938) 23(-0.75,1.938) 24(-1.25,1.938)
  rect 2.6x2.6 smd: 25(0,0)
QFN_2p5x3p5x1p6_MNP
  rect 0.813x0.203 smd: 1(-1.15,1.35) 2(-1.15,0.9) 3(-1.15,0.45) 4(-1.15,0) 11(1.15,0) 12(1.15,0.45) 13(1.15,0.9) 14(1.15,1.35)
  custom 1.105x1.103 smd: 5(-0.75,-0.9) 10(0.75,-0.9)
  rect 0.254x1.092 smd: 15(0.25,1.5) 16(-0.25,1.5)
  rect 0.254x0.508 smd: 17(-0.25,0.225) 18(0.25,0.225)
R_0201_0603Metric
  rrect 0.318x0.36 smd: (-0.345,0) (0.345,0)
  rrect 0.46x0.4 smd: 1(-0.32,0) 2(0.32,0)
R_0402_1005Metric
  rrect 0.54x0.64 smd: 1(-0.51,0) 2(0.51,0)
RTL8211F-CG_RTK-L
  rect 0.711x0.203 smd: 1(-2.349,1.8) 2(-2.349,1.4) 3(-2.349,1) 4(-2.349,0.6) 5(-2.349,0.2) 6(-2.349,-0.2) 7(-2.349,-0.6) 8(-2.349,-1) 9(-2.349,-1.4) 10(-2.349,-1.8) 21(2.349,-1.8) 22(2.349,-1.4) 23(2.349,-1) 24(2.349,-0.6) 25(2.349,-0.2) 26(2.349,0.2) 27(2.349,0.6) 28(2.349,1) 29(2.349,1.4) 30(2.349,1.8)
  rect 0.203x0.711 smd: 11(-1.8,-2.349) 12(-1.4,-2.349) 13(-1,-2.349) 14(-0.6,-2.349) 15(-0.2,-2.349) 16(0.2,-2.349) 17(0.6,-2.349) 18(1,-2.349) 19(1.4,-2.349) 20(1.8,-2.349) 31(1.8,2.349) 32(1.4,2.349) 33(1,2.349) 34(0.6,2.349) 35(0.2,2.349) 36(-0.2,2.349) 37(-0.6,2.349) 38(-1,2.349) 39(-1.4,2.349) 40(-1.8,2.349)
  rect 3.708x3.708 smd: 41(0,0)
SOT-23
  rrect 1.475x0.6 smd: 1(-0.938,0.95) 2(-0.938,-0.95) 3(0.938,0)
SOT-23-6
  rrect 1.325x0.6 smd: 1(-1.137,0.95) 2(-1.137,0) 3(-1.137,-0.95) 4(1.137,-0.95) 5(1.137,0) 6(1.137,0.95)
STM32G431CBU6
  rrect 0.808x0.255 smd: 1(-3.452,2.75) 2(-3.452,2.25) 3(-3.452,1.75) 4(-3.452,1.25) 5(-3.452,0.75) 6(-3.452,0.25) 7(-3.452,-0.25) 8(-3.452,-0.75) 9(-3.452,-1.25) 10(-3.452,-1.75) 11(-3.452,-2.25) 12(-3.452,-2.75) 25(3.452,-2.75) 26(3.452,-2.25) 27(3.452,-1.75) 28(3.452,-1.25) 29(3.452,-0.75) 30(3.452,-0.25) 31(3.452,0.25) 32(3.452,0.75) 33(3.452,1.25) 34(3.452,1.75) 35(3.452,2.25) 36(3.452,2.75)
  rrect 0.255x0.808 smd: 13(-2.75,-3.452) 14(-2.25,-3.452) 15(-1.75,-3.452) 16(-1.25,-3.452) 17(-0.75,-3.452) 18(-0.25,-3.452) 19(0.25,-3.452) 20(0.75,-3.452) 21(1.25,-3.452) 22(1.75,-3.452) 23(2.25,-3.452) 24(2.75,-3.452) 37(2.75,3.452) 38(2.25,3.452) 39(1.75,3.452) 40(1.25,3.452) 41(0.75,3.452) 42(0.25,3.452) 43(-0.25,3.452) 44(-0.75,3.452) 45(-1.25,3.452) 46(-1.75,3.452) 47(-2.25,3.452) 48(-2.75,3.452)
  rrect 5.69x5.69 smd: 49(0,0)
TestPoint_Pad_D0.7mm
  round 0.7 smd: 1(0,0)
TFT-320x240
  oval 1.5x3 hole 0.8: 1(-16.51,0) 2(-13.97,0) 3(-11.43,0) 4(-8.89,0) 5(-6.35,0) 6(-3.81,0) 7(-1.27,0) 8(1.27,0) 9(3.81,0) 10(6.35,0) 11(8.89,0) 12(11.43,0) 13(13.97,0) 14(16.51,0)
TI_SO-PowerPAD-8
  rect 1.91x0.61 smd: 1(-2.78,1.905) 2(-2.78,0.635) 3(-2.78,-0.635) 4(-2.78,-1.905) 5(2.78,-1.905) 6(2.78,-0.635) 7(2.78,0.635) 8(2.78,1.905)
  rect 1.205x1.55 smd: 9(-0.603,-0.775) 9(-0.603,0.775) 9(0.603,-0.775) 9(0.603,0.775)
TLV707
  custom 0.46x0.31 smd: 1(-0.53,0.325) 2(-0.53,-0.325) 3(0.53,-0.325) 4(0.53,0.325)
  rrect 0.54x0.54 smd rot 45: 5(0,0)
USB_C_Receptacle_HRO_TYPE-C-31-M-12
  round 0.65 hole 0.65 unplated: (-2.89,2.6) (2.89,2.6)
  rect 0.6x1.45 smd: A1(-3.25,4.045) A4(-2.45,4.045) A9(2.45,4.045) A12(3.25,4.045) B1(3.25,4.045) B4(2.45,4.045) B9(-2.45,4.045) B12(-3.25,4.045)
  rect 0.3x1.45 smd: A5(-1.25,4.045) A6(-0.25,4.045) A7(0.25,4.045) A8(1.25,4.045) B5(1.75,4.045) B6(0.75,4.045) B7(-0.75,4.045) B8(-1.75,4.045)
  oval 1x2.1 hole 0.6x1.7: S1(-4.32,3.13) S1(4.32,3.13)
  oval 1x1.6 hole 0.6x1.2: S1(-4.32,-1.05) S1(4.32,-1.05)
WSON-8-1EP_8x6mm_P1.27mm_EP3.4x4.3mm
  rrect 1.37x1.73 smd: (-0.85,1.075) (-0.85,-1.075) (0.85,1.075) (0.85,-1.075)
  rrect 0.65x0.5 smd: 1(-3.75,1.905) 2(-3.75,0.635) 3(-3.75,-0.635) 4(-3.75,-1.905) 5(3.75,-1.905) 6(3.75,-0.635) 7(3.75,0.635) 8(3.75,1.905)
  rect 3.4x4.3 smd: 9(0,0)
XKB Connection A71-05H4-111N1
  round 1 hole 1 unplated: (-3.75,-0.8) (3.75,-0.8)
  rect 0.23x1.2 smd: 1(3.6,1.15) 2(3.2,1.15) 3(2.8,1.15) 4(2.4,1.15) 5(2,1.15) 6(1.6,1.15) 7(1.2,1.15) 8(0.8,1.15) 9(0.4,1.15) 10(0,1.15) 11(-0.4,1.15) 12(-0.8,1.15) 13(-1.2,1.15) 14(-1.6,1.15) 15(-2,1.15) 16(-2.4,1.15) 17(-2.8,1.15) 18(-3.2,1.15) 19(-3.6,1.15)
  oval 1.25x1.8 hole 0.65x1.2: SH(-5.425,0) SH(-5.4,-4.5) SH(5.425,0) SH(5.425,-4.5)

## Nets
1V0_EN: R27.1 U8.1 U9.5
1V0_PG: R28.2 U8.2 U9.2
1V8_EN: R30.1 U4.3 U9.47
1V8_PG: R29.2 U4.11 U9.4
1V35_EN: R35.1 U9.9 U10.4
1V35_PG: R36.2 U9.6 U10.12
3V3_EN: R31.1 U6.3 U9.3
3V3_PG: R32.2 U6.11 U9.10
+0V675_REF: C113.2 C124.1 C125.1 C126.1 R88.2 R89.1 TP16.1 U1.H1 U1.M8 U2.H7 U2.P7
+1V0: C24.1 C45.1 C46.1 C47.1 C48.1 C51.1 C52.1 C53.1 C54.1 C55.1 C56.1 C57.1 C58.1 C60.1 C61.1 C63.1 C64.1 C66.1 R78.1 TP14.1 U2.G8 U2.H9 U2.H11 U2.J8 U2.J10 U2.J12 U2.J14 U2.K13 U2.L8 U2.L14 U2.M13 U2.N8 U2.N14 U2.P13 U2.R8 U2.R14 U8.12 U8.13 U8.14 U8.15 U8.16 U8.17
+1V8: C11.1 C20.1 C27.1 C33.1 C38.1 C42.1 C44.1 C49.1 C50.1 C59.1 C62.1 C67.1 C96.1 C97.1 C98.1 C107.1 C108.1 C112.1 C134.1 C138.1 J1.56 J1.58 J1.60 L2.2 L4.1 L6.2 L8.2 L9.2 R5.1 R7.1 R11.1 R12.1 R14.1 R26.1 R39.1 R40.1 R41.1 R42.1 R43.1 R80.1 R90.1 R92.1 R94.1 R97.1 U2.A10 U2.B13 U2.D9 U2.E12 U2.G9 U2.K9 U2.L10 U2.M9 U2.N10 U2.P9 U2.P11 U2.R10 U2.T9 U4.6 U4.9 U4.10 U5.17 U5.21 U7.C6 U7.M4 U7.N3 U7.N4 U7.P3 U7.P5
+1V35: C31.1 C93.1 C95.1 C99.1 C101.1 C102.1 C104.1 C105.1 C106.1 C109.1 C110.1 C111.1 C113.1 C114.1 C118.1 C119.1 C120.1 C121.1 C122.1 C123.1 R37.1 R47.1 R84.1 R88.1 TP15.1 U1.A1 U1.A8 U1.B2 U1.C1 U1.C9 U1.D2 U1.D9 U1.E9 U1.F1 U1.G7 U1.H2 U1.H9 U1.K2 U1.K8 U1.N1 U1.N9 U1.R1 U1.R9 U2.E2 U2.F5 U2.H1 U2.J4 U2.K7 U2.M3 U2.N6 U2.R2 U2.V1 U10.3 U10.10
+3V3: C1.1 C2.1 C12.1 C21.1 C29.1 C34.1 C39.1 C41.1 C68.1 C71.1 C73.1 C76.1 C141.1 J1.24 J1.25 J1.26 J1.27 L3.1 L7.2 R18.1 R19.1 R33.1 R44.1 R74.2 R82.1 R86.1 R87.1 R91.1 R98.1 R99.1 R100.1 U2.B3 U2.C6 U2.R12 U2.T7 U2.T8 U2.T10 U2.T13 U3.29 U5.3 U5.4 U6.6 U6.9 U6.10 U7.E6 U7.F5 U7.J10 U7.K9 U11.8 U14.8
+3V3_SC: C9.1 C35.1 C36.1 C37.1 C136.1 J1.37 L5.1 R3.1 R28.1 R29.1 R32.1 R36.1 U9.1 U9.23 U9.35 U9.48 U13.1
+5V: J6.18
+VCCO_13: C127.1 C128.1 C129.1 C130.1 C131.1 C132.1 C133.1 J2.1 J2.2 J2.3 U2.AA10 U2.AB3 U2.T5 U2.U8 U2.V11 U2.W4 U2.Y7
+VCCO_33: C86.1 C87.1 C88.1 C89.1 C90.1 C91.1 C92.1 C100.1 J2.98 J2.99 J2.100 U2.AA20 U2.AB13 U2.U18 U2.V21 U2.W14 U2.Y17 U14.5
+VCCO_34: C75.1 C77.1 C79.1 C82.1 C83.1 C84.1 C85.1 J3.97 J3.99 U2.K17 U2.L20 U2.N16 U2.P19 U2.R22 U2.T15
+VCCO_35: C69.1 C70.1 C72.1 C74.1 C78.1 C80.1 C81.1 J3.1 J3.2 J3.4 R15.1 U2.A20 U2.C16 U2.D19 U2.E22 U2.F15 U2.G18 U2.H21
/Ethernet PHY/1V0_ETH: C3.1 C4.1 C5.1 C6.1 C7.1 C16.1 L1.2 TP13.1 U3.3 U3.8 U3.21 U3.38
/Ethernet PHY/1V8A_ETH: C10.1 C19.1 L2.1 U3.28
